# Altium PCB Electronic load 1.0.PcbDoc
Units mil, origin at the board's own origin, x right, y up, seen from the top; angles counter-clockwise.
Board outline 2047.24 x 3149.61 mil, 2 copper layers (Top Layer, Bottom Layer), stack 63.824 mil thick; 101 components, 43 nets, 252 pads, 62 vias.
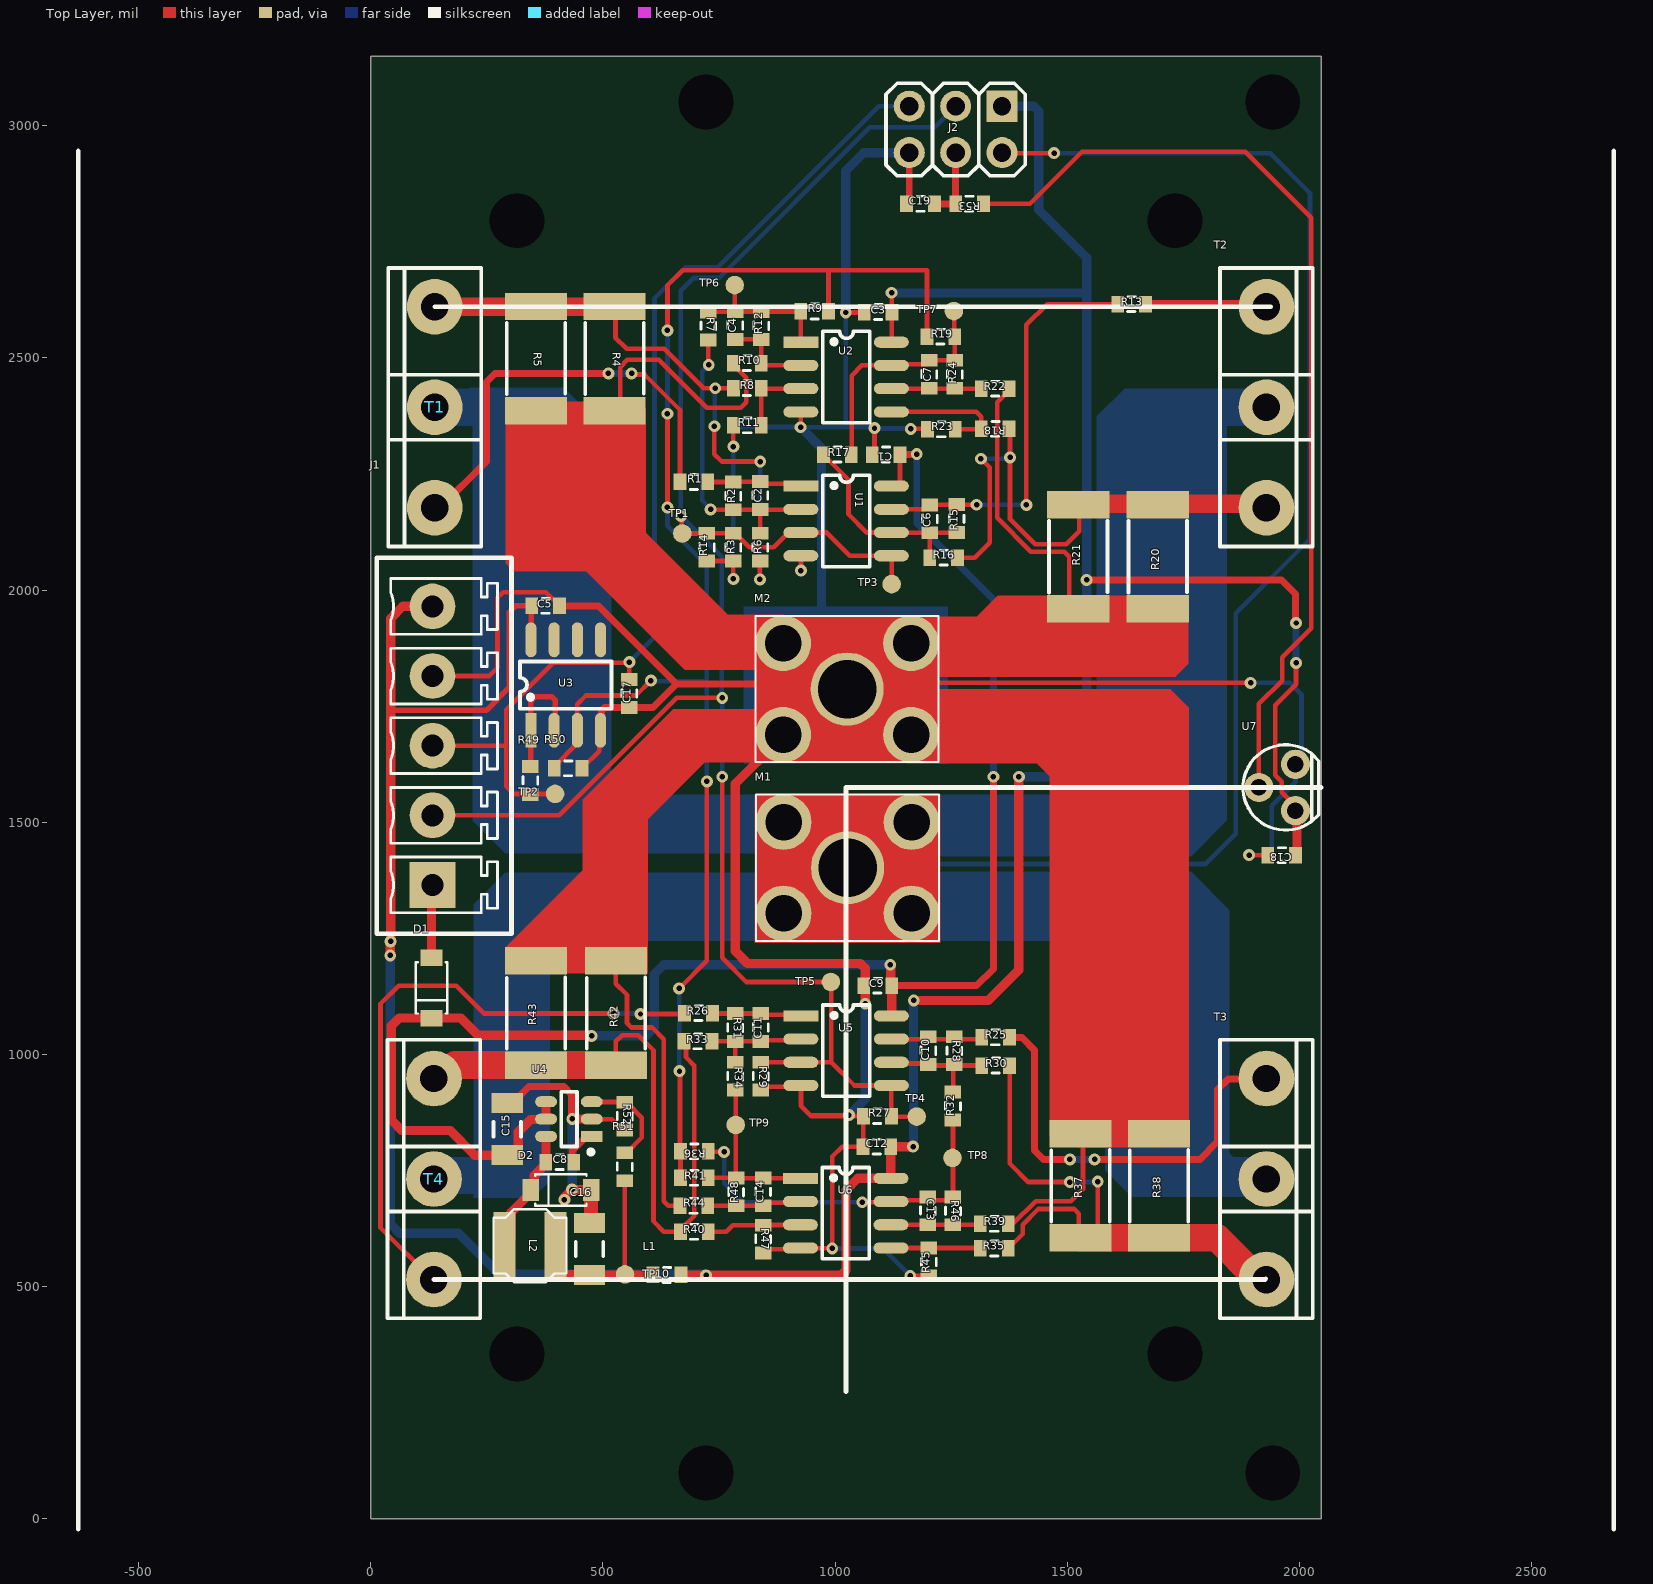
[diagram p0: Top Layer view]
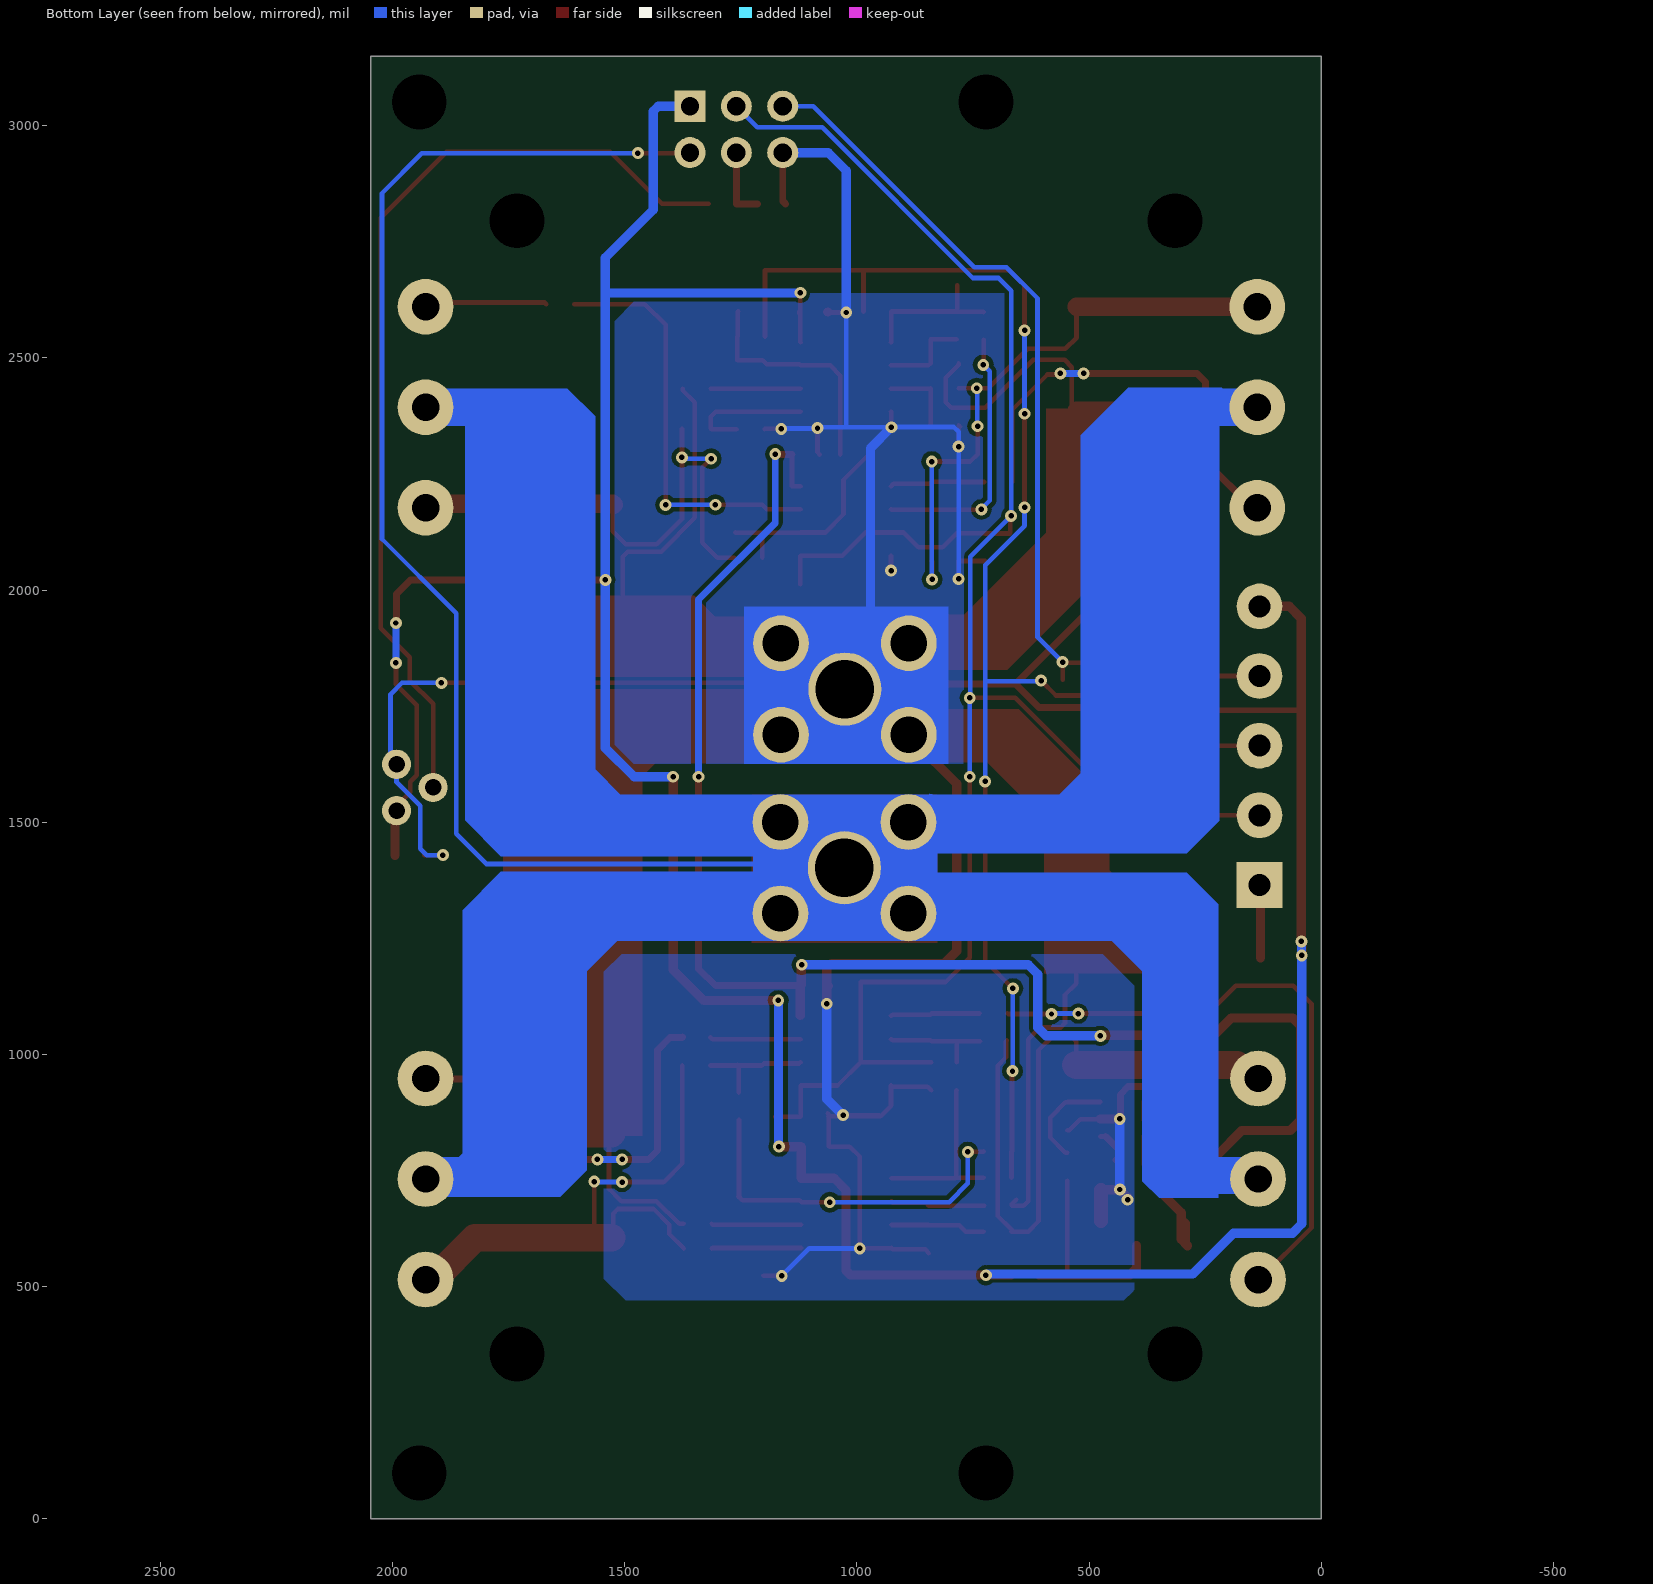
[diagram p1: Bottom Layer view, seen from below]

## Layer stack, top to bottom
Top Solder: solder mask 0.4, Solder Resist, Dk 3.5
Top Layer: signal copper 1.4
Dielectric1: core 61.0236, FR-4, Dk 4.2
Bottom Layer: signal copper 1.4
Bottom Solder: solder mask 0.4, Solder Resist, Dk 3.5

## Board outline
0,0 0,1443.8 0,3149.61 2047.24,3149.61 2047.24,0

## Design rules (kind name [scope] priority, off if disabled: settings)
Clearance kwarc [HasFootprint('X2016')] p1: gap=6 ignorepadtopadclearanceinfootprint=FALSE except(0: Arc-Hole Track-Hole SMDPad-Hole THPad-Hole Via-Hole Fill-Hole Poly-Hole Region-Hole Text-Hole)
Clearance led [HasFootprint('LED1206REV')] p2: gap=5.9 ignorepadtopadclearanceinfootprint=FALSE except(0: Arc-Hole Track-Hole SMDPad-Hole THPad-Hole Via-Hole Fill-Hole Poly-Hole Region-Hole Text-Hole)
Clearance Clearance_1 [(OnLayer('Keep-Out Layer'))] p3: gap=10 ignorepadtopadclearanceinfootprint=FALSE except(0: Arc-Hole Track-Hole SMDPad-Hole THPad-Hole Via-Hole Fill-Hole Poly-Hole Region-Hole Text-Hole)
Clearance Track [istrack vs istrack] p4: gap=6 ignorepadtopadclearanceinfootprint=FALSE except(0: Arc-Hole Track-Hole SMDPad-Hole THPad-Hole Via-Hole Fill-Hole Poly-Hole Region-Hole Text-Hole)
Clearance ANT [InNetClass('ANT')] p5: gap=7.87 ignorepadtopadclearanceinfootprint=FALSE except(0: Arc-Hole Track-Hole SMDPad-Hole THPad-Hole Via-Hole Fill-Hole Poly-Hole Region-Hole Text-Hole)
Clearance poly [inpoly] p6: gap=9 ignorepadtopadclearanceinfootprint=FALSE except(0: Arc-Hole Track-Hole SMDPad-Hole THPad-Hole Via-Hole Fill-Hole Poly-Hole Region-Hole Text-Hole)
Clearance [All] p7: gap=7 ignorepadtopadclearanceinfootprint=FALSE except(0: Arc-Hole Track-Hole SMDPad-Hole THPad-Hole Via-Hole Fill-Hole Poly-Hole Region-Hole Text-Hole)
ComponentClearance ComponentClearance_2 [HasFootprint('CR123')] p1: gap=0 collisioncheckmode=3 verticalgap=0 showdistances=TRUE
ComponentClearance ComponentClearance_1 [HasFootprint('ANT1')] p2: gap=0 collisioncheckmode=3 verticalgap=0 showdistances=TRUE
ComponentClearance [All] p3: gap=0 collisioncheckmode=3 verticalgap=0 showdistances=FALSE
HoleSize [All] p1: absolutevalues=TRUE maxlimit=500 minlimit=10 maxpercent=80.000 minpercent=20.000
PolygonConnect CR123 [HasFootprint('CR123')] p1: connectstyle=Relief reliefconductorwidth=20 reliefentries=4 polygonreliefangle="90 Angle" airgapwidth=10
PolygonConnect coax [HasFootprint('COAXIAL-SWF')] p2: connectstyle=Direct reliefconductorwidth=10 reliefentries=4 polygonreliefangle="90 Angle" airgapwidth=10
PolygonConnect PolygonConnect_1 [isvia] p3: connectstyle=Direct reliefconductorwidth=10 reliefentries=4 polygonreliefangle="90 Angle" airgapwidth=10
PolygonConnect [All] p4: connectstyle=Relief reliefconductorwidth=10 reliefentries=4 polygonreliefangle="90 Angle" airgapwidth=8
RoutingVias [All] p1: holewidth=11.81 width=25.59 viastyle="Through Hole" minholewidth=11.81 minwidth=25.59 maxholewidth=11.81 maxwidth=25.59
SolderMaskExpansion SolderMaskExpansion_1 [isvia] p1: expansion=-100
SolderMaskExpansion [All] p2: expansion=2
Width [All] p1: maxlimit=200 minlimit=6 preferedwidth=10 minimp=50.000000 maximp=50.000000 favimp=50.000000
28 further rules are at their usual default settings.

## Components (designator, comment, footprint, x,y, rotation, side; value= is the part's Value field where it differs from the comment)
C1 "100n" C0603 1110,2291.8 r0 top
C2 "1n" C0603 839,2203.65 r270 top
C3 "100n" C0603 1093,2598.8 r180 top
C4 "1n" C0603 785,2569.8 r270 top
C5 "100n" C0603 376.57,1965.8 r180 top
C6 "1n" C0603 1204,2153.31 r270 top
C7 "1n" C0603 1203,2464.75 r270 top
C8 "100n" C0603 407,767.8 r180 top
C9 "100n" C0603 1092,1147.8 r0 top
C10 "1n" C0603 1201,1007.8 r270 top
C11 "1n" C0603 840,1057.8 r270 top
C12 "100n" C0603 1090,801.18 r180 top
C13 "1n" C0603 1200,662.8 r270 top
C14 "1n" C0603 845,703.8 r270 top
C15 "10u" C1206 294,838.8 r90 top
C16 "10u" C1206 471,580.8 r90 top
C17 "100n" C0603 557,1777 r270 top
C18 "100n" C0603 1962,1429 r180 top
C19 "100n" C0603 1184,2832 r180 top
D1 "PMEG6020ER.115" SOD123 131,1143.02 r90 top
D2 "PMEG6020ER.115" SOD123 409.5,707.8 r0 top
J1 "15EDGVC3.81-05P" MCV1,5/5-G3,81 133,1664.8 r180 top
J2 "67996-206HLF" GP2X3 1259.84,2992.13 r180 top locked
L1 "LCBA-601" R0603 638,524.7 r0 top
L2 "22uH" L4040 343,587.8 r0 top
M1 "KEYS7696" KEY-7696 1027,1401.8 r270 top
M2 "KEYS7696" KEY-7696 1026,1786.8 r90 top
R1 "22R" R0603 696,2232.8 r180 top
R2 "1M" R0603 781,2202.8 r90 top
R3 "1M" R0603 781,2092.47 r90 top
R4 "0R1/1%" R2512 525,2498.6 r270 top
R5 "0R1/1%" R2512 356,2498.6 r270 top
R6 "1k" R0603 839.01,2092.47 r90 top
R7 "10k/1%" R0603 727,2568.8 r270 top
R8 "1k" R0603 811,2434.75 r0 top
R9 "10k/1%" R0603 956,2600.06 r180 top
R10 "1k" R0603 811,2488.8 r0 top
R11 "10k/1%" R0603 811,2354.8 r180 top
R12 "10k/1%" R0603 841,2569.8 r90 top
R13 "22R" R0603 1639,2615.8 r0 top
R14 "1M" R0603 724,2092.48 r90 top
R15 "1M" R0603 1262,2153.96 r90 top
R16 "1k" R0603 1234.01,2069.8 r180 top
R17 "10k/1%" R0603 1005,2291.8 r180 top
R18 "1k" R0603 1345,2347.05 r180 top
R19 "10k/1%" R0603 1228,2545.8 r0 top
R20 "0R1/1%" R2512 1695,2071.8 r270 top
R21 "0R1/1%" R2512 1524,2071.8 r270 top
R22 "1k" R0603 1345,2433.8 r180 top
R23 "10k/1%" R0603 1229,2346.2 r180 top
R24 "10k/1%" R0603 1258,2464.75 r90 top
R25 "22R" R0603 1346,1036.8 r0 top
R26 "22R" R0603 706,1088.8 r180 top
R27 "1M" R0603 1091.44,866.8 r0 top
R28 "1M" R0603 1257,1007.8 r90 top
R29 "1M" R0603 840,952.8 r90 top
R30 "1k" R0603 1346,975.8 r180 top
R31 "1M" R0603 785,1057.8 r90 top
R32 "10k/1%" R0603 1254,888.8 r90 top
R33 "1k" R0603 705,1027.8 r0 top
R34 "10k/1%" R0603 785,952.8 r90 top
R35 "1k" R0603 1343,581.8 r180 top
R36 "10k/1%" R0603 697,790.8 r0 top
R37 "0R1/1%" R2512 1528.62,717.01 r90 top
R38 "0R1/1%" R2512 1697.62,717.01 r90 top
R39 "1k" R0603 1343,634.8 r180 top
R40 "1k" R0603 697,617.8 r0 top
R41 "10k/1%" R0603 697,733.8 r0 top
R42 "0R1/1%" R2512 528,1089.01 r90 top
R43 "0R1/1%" R2512 356,1089.01 r90 top
R44 "1k" R0603 696,673.8 r0 top
R45 "10k/1%" R0603 1202,552.8 r270 top
R46 "10k/1%" R0603 1254,662.8 r90 top
R47 "10k/1%" R0603 845,601.8 r270 top
R48 "10k/1%" R0603 787,703.8 r90 top
R49 "1k" R0603 343.8,1589.8 r270 top
R50 "10k/1%" R0603 425,1615.8 r180 top
R51 "54k9" R0603 547,757.8 r270 top
R52 "10k" R0603 547,866.8 r90 top
R53 "1k" R0603 1289.84,2832 r0 top
T1 "IRFP260NPBF" TO-247-HOR 137.8,2393.8 r90 top
T2 "IRFP260NPBF" TO-247-HOR 1929.13,2393.82 r270 top
T3 "IRFP260NPBF" TO-247-HOR 1929.13,731.34 r270 top locked
T4 "IRFP260NPBF" TO-247-HOR 136,731.34 r90 top
TP1 "TP" TP 671,2121.8 r180 top
TP2 "TP" TP 397,1560.8 r180 top
TP3 "TP" TP 1122,2012.8 r270 top
TP4 "TP" TP 1176,865.8 r180 top
TP5 "TP" TP 991,1155.8 r90 top
TP6 "TP" TP 784,2656.8 r0 top
TP7 "TP" TP 1256,2600.8 r0 top
TP8 "TP" TP 1253,776.8 r180 top
TP9 "TP" TP 786,847.8 r180 top
TP10 "TP" TP 547.69,526 r0 top
U1 "MC34072" SO-8 1024,2148.8 r0 top
U2 "AD8629ARZ" SO-8 1024,2458.8 r0 top
U3 "AD8629ARZ" SO-8 420,1795.24 r90 top
U4 "LMR16006" SOT-23-6 426.79,860.46 r90 top
U5 "MC34072" SO-8 1024,1007.8 r0 top
U6 "AD8629ARZ" SO-8 1023,657.8 r0 top
U7 "MCP9700A-E/TO" TO-92A 1952.37,1574.74 r90 top

## Footprints (in the part's own frame and the unit in brackets; to place one, negate y for a bottom-side part, rotate by r counter-clockwise, add the part's x,y. Pads: shape width x height; smd on the part's side, far side on the other; paste and mask are expansions set on the pad)
C0603 [mm] "Chip Capacitor, Body 1.6x0.8mm, IPC High Density"
  rect 0.7x0.9 smd: 1(-0.762,0) 2(0.762,0)
  silkscreen extent -0.22,-0.41 0.2,0.41, body extent -0.8,-0.4 0.8,0.4, height 0.5
C1206 [mm]
  rect 1.1x1.7 smd: 1(-1.425,0) 2(1.425,0)
  silkscreen extent -0.4,-0.75 0.4,0.75, body extent -1.6,-0.8 1.6,0.8, height 1
GP2X3 [mm]
  rect 1.7x1.7 hole 1: 1(-2.54,-1.27)
  round 1.7 hole 1: 2(-2.54,1.27) 3(0,-1.27) 4(0,1.27) 5(2.54,-1.27) 6(2.54,1.27)
  silkscreen extent -3.81,-2.53 3.81,2.54, body extent -3.81,-2.54 3.81,2.54, height 8.52
KEY-7696 [mm]
  round 3.048 hole 2: 1(-2.5,3.5) 2(2.5,3.5) 3(-2.5,-3.5) 4(2.5,-3.5)
  round 4 hole 3.2: 5(0,0)
  silkscreen extent -4,-5.01 4,5.01, body extent -3.89,-4.64 3.99,4.5, height 8.14
L4040 [mm]
  rect 1.2x3.7 smd: 1(-1.4,0) 2(1.4,0)
  silkscreen extent -2,-2 2,2, body extent -2,-2 2,2, height 1.1
MCV1,5/5-G3,81 [mm]
  rect 2.5x2.5 hole 1.2: 1(0,7.62)
  round 2.5 hole 1.2: 2(0,3.81) 3(0,0) 4(0,-3.81) 5(0,-7.62)
  silkscreen extent -4.32,-10.29 3.05,10.29, body extent -4.24,-10.29 3.01,10.15, height 9.3
R0603 [mm] "Chip Resistor, Body 1.6x0.8mm, IPC High Density"
  rect 0.7x0.9 smd: 1(-0.762,0) 2(0.762,0)
  silkscreen extent -0.22,-0.41 0.2,0.41, body extent -0.8,-0.4 0.8,0.4, height 0.45
R2512 [mm]
  rect 1.5x3.4 smd: 1(-2.85,0) 2(2.85,0)
  silkscreen extent -1.96,-1.6 1.96,1.6, body extent -3.18,-1.6 3.18,1.6, height 0.6
SO-8 [mil]
  rect 75x24 smd: 1(-97.44,75)
  oval 75x24 smd: 2(-97.44,25) 3(-97.44,-25) 4(-97.44,-75) 5(97.44,-75) 6(97.44,-25) 7(97.44,25) 8(97.44,75)
  silkscreen extent -51,-98 51,98, body extent -123,-98 122,99, height 55
SOD123 [mm]
  rect 0.9x1.2 smd: 1(1.65,0) 2(-1.65,0)
  silkscreen extent -1.4,-0.86 1.4,0.86, body extent -1.85,-0.86 2,0.84, height 1.46
SOT-23-6 [mm]
  rect 0.6x1.2 smd: 1(-0.95,-1.25)
  oval 0.6x1.2 smd: 2(0,-1.25) 3(0.95,-1.25) 4(0.95,1.25) 5(0,1.25) 6(-0.95,1.25)
  silkscreen extent -1.92,-1.33 1.5,0.42, body extent -1.5,-1.58 1.5,1.42, height 1.3
TO-92A [mm]
  round 1.6 hole 0.9: 1(-1.27,-1) 2(0,1) 3(1.27,-1)
  silkscreen extent -2.33,-2.27 2.33,1.87, body extent -2.34,-2.27 2.34,1.88, height 8
TO-247-HOR [mil]
  round 120 hole 59: 1(-216.54,0) 2(0,0) 3(216.54,0)
  silkscreen extent -300,-100 300,100, body extent -315,-14 315,1006, height 531
TP [mil]
  round 40 smd paste-100: 1(0,0)

## Part data
C1 C3 C5 C8 C9 C12 C17 C18 C19: library part C-013, "Capacitor: ceramic; 100nF; 50V; X7R; ±10%; SMD; 0603; Series: GRM", Manufacturer=Murata, Part Number=GRM188R71H104KA93D, ComponentLink1Description=Datasheet, ComponentLink1URL=D:\Datasheets\.pdf, ComponentLink2Description=Dostawca, ComponentLink2URL=http://www.tme.eu/pl/katalog/?idp=1&search=GRM188R71H104KA93D, Indeks=C-0013, Supplier=TME, Supplier Code=GRM188R71H104KA93D
C2 C4 C6 C7 C10 C11 C13 C14: library part C-006, "Capacitor: ceramic; MLCC; 1nF; 50V; X7R; ±10%; SMD; 0603", Manufacturer=Vishay, Part Number=VJ0603Y102KXACW1BC, ComponentLink1Description=Datasheet, ComponentLink1URL=D:\Datasheets\.pdf, ComponentLink2Description=Dostawca, ComponentLink2URL=http://www.tme.eu/pl/katalog/?idp=1&search=VJ0603Y102KXACW1BC, Indeks=C-006, Supplier=TME, Supplier Code=VJ0603Y102KXACW1BC
C15 C16: library part C-022, "Capacitor: ceramic; 10uF; 35V; X7R; ±10%; SMD; 1206", Manufacturer=Samnsung, Part Number=CL31B106KLHNNNE, ComponentLink1Description=Datasheet, ComponentLink1URL=D:\Datasheets\.pdf, ComponentLink2Description=Dostawca, ComponentLink2URL=http://www.tme.eu/pl/katalog/?idp=1&search=CL31B106KLHNNNE, Indeks=C-0019, Supplier=TME, Supplier Code=CL31B106KLHNNNE
D1 D2: library part STPS2H100A, "Diode: Schottky rectifying; SMD; 60V; 2A; SOD123W", Manufacturer=Nexperia, ComponentLink1Description=Datasheet, ComponentLink1URL=E:\Datasheets\PMEG6020ER.115.pdf, ComponentLink2Description=Dostawca, ComponentLink2URL=http://www.tme.eu/pl/katalog/?idp=1&search=PMEG6020ER.115, Supplier=TME, Supplier Code=PMEG6020ER.115
J1: library part CON5, "Pluggable terminal block; 3.81mm; ways:5; straight; socket; male", Part Number=15EDGVC-3.81-05P-14-00A(H), ComponentLink1Description=Datasheet, ComponentLink1URL=D:\Datasheets\.pdf, ComponentLink2Description=Dostawca, Supplier=TME, Supplier Code=15EDGVC3.81-05P
J2: library part CON2x3, "Pin header; pin strips; male;2.54mm; PIN:6; THT", Manufacturer=Amphenol, ComponentLink1Description=Datasheet, ComponentLink1URL=D:\Datasheets\.pdf, ComponentLink2Description=Dostawca, Part Number=67996-206HLF, Supplier=TME, Supplier Code=67996-206HLF
L1: "Ferrite: bead; Imp.@ 100MHz:600Ohm; Mounting: SMD; 1A; Case:0603", Manufacturer=Ferrocore, ComponentLink1Description=Datasheet, ComponentLink1URL=D:\Datasheets\.pdf, ComponentLink2Description=Dostawca, Indeks=IND, Part Number=LCBA-601, Supplier=TME, Supplier Code=LCBA-601
L2: library part L4040, "Inductor: wire; SMD; 1515; 22uH; 790mA; 0.37R; 4x4x1.65mm", Manufacturer=Murata, Part Number=LQH44PN220MP0L, ComponentLink1Description=Datasheet, ComponentLink1URL=D:\Datasheets\.pdf, ComponentLink2Description=Dostawca, Indeks=IND, Supplier=TME, Supplier Code=LQH44PN220MP0L
M1 M2: library part "M3 pcb", "Terminal: screw terminal; THT, screw terminal; silver; 7x5mm", Manufacturer=Keystone, Part Number=7696, ComponentLink1Description=Datasheet, ComponentLink1URL=E:\Datasheets\7696.pdf, ComponentLink2Description=Dostawca, Supplier=TME, Supplier Code=KEYS7696
R1 R13 R25 R26: library part R-002, "Resistor: thick film; SMD; 0603; 22R; 0.1W; ±5%;", Manufacturer="Royal Ohm", Part Number=0603SAJ0220T5E, Tolerance=5%, ComponentLink1Description=Datasheet, ComponentLink1URL=D:\Datasheets\.pdf, ComponentLink2Description=Dostawca, ComponentLink2URL=http://www.tme.eu/pl/katalog/?idp=1&search=SMD0603-22R, Indeks=R-002, Supplier=TME, Supplier Code=SMD0603-22R
R2 R3 R14 R15 R27 R28 R29 R31: library part R-022, "Resistor: thick film; SMD; 0603; 1M; 0.1W; ±5%;", Manufacturer="Royal Ohm", Part Number=0603SAJ0105T5E, Tolerance=5%, ComponentLink1Description=Datasheet, ComponentLink1URL=D:\Datasheets\.pdf, ComponentLink2Description=Dostawca, ComponentLink2URL=http://www.tme.eu/pl/katalog/?idp=1&search=SMD0603-1M, Indeks=R-022, Supplier=VISHAY, Supplier Code=SMD0603-1M
R4 R5 R20 R21 R37 R38 R42 R43: library part R, "Rezystor: pomiarowy; SMD; 2512; 100mOhm; 3W; ±1%; 50ppm", Manufacturer=Viking, Part Number=LPR12FTDRR100, ComponentLink1Description=Datasheet, ComponentLink1URL=D:\Datasheets\Viking-LRP.pdf, ComponentLink2Description=Dostawca, ComponentLink2URL=http://www.tme.eu/pl/katalog/?idp=1&search=LRP2512-R100-1%, Supplier=TME, Supplier Code=LRP2512-R100-1%
R6 R8 R10 R16 R18 R22 R30 R33 R35 R39 R40 R44 R49: library part R-035, "Resistor: thick film; SMD; 0603; 1k; 0.1W; ±1%", Manufacturer="Royal Ohm", Part Number=0603SAF1001T5E, Tolerance=1%, ComponentLink1Description=Datasheet, ComponentLink1URL=D:\Datasheets\.pdf, ComponentLink2Description=Dostawca, ComponentLink2URL=http://www.tme.eu/pl/katalog/?idp=1&search=WW25RR005FTL, Indeks=R-035, Supplier=TME, Supplier Code=SMD0603-1K-1%
R7 R9 R11 R12 R17 R19 R23 R24 R32 R34 R36 R41 R45 R46 R47 R48 R50: library part R, "Rezystor: thick film; SMD; 0603; 10kOhm; 0,1W; ±1%; -55÷155°C", Manufacturer=VISHAY, Part Number=CRCW060310K0FKTABC, ComponentLink1Description=Datasheet, ComponentLink1URL=D:\Datasheets\.pdf, ComponentLink2Description=Dostawca, Supplier=TME, Supplier Code=CRCW060310K0FKTABC
R51: library part R-016, "Resistor: thick film; SMD; 0603; 54.9k; 0.1W; ±1%;", Manufacturer=Yageo, Part Number=RC0603FR-0754K9L, Tolerance=1%, ComponentLink1Description=Datasheet, ComponentLink1URL=D:\Datasheets\.pdf, ComponentLink2Description=Dostawca, ComponentLink2URL=http://www.tme.eu/pl/katalog/?idp=1&search=RC0603FR-0754K9L, Indeks=R-016, Supplier=TME, Supplier Code=RC0603FR-0754K9L
R52: library part R-012, "Resistor: thick film; SMD; 0603; 10k; 0.125W; ±5%", Manufacturer=Walsin, Part Number=WF06P103JTL, Tolerance=5%, ComponentLink1Description=Datasheet, ComponentLink1URL=D:\Datasheets\.pdf, ComponentLink2Description=Dostawca, ComponentLink2URL=http://www.tme.eu/pl/katalog/?idp=1&search=WF06P-10K-5%, Indeks=R-011, Supplier=TME, Supplier Code=WF06P-10K-5%
R53: library part R-005, "Resistor: thick film; SMD; 0603; 1k; 0.1W; ±5%", Manufacturer="Royal Ohm", Part Number=0603SAJ0102T5E, Tolerance=5%, ComponentLink1Description=Datasheet, ComponentLink1URL=D:\Datasheets\.pdf, ComponentLink2Description=Dostawca, ComponentLink2URL=http://www.tme.eu/pl/katalog/?idp=1&search=SMD0603-1K, Indeks=R-004, Supplier=TME, Supplier Code=SMD0603-1K
T1 T2 T3 T4: "Tranzystor: N-MOSFET; unipolarny; HEXFET; 200V; 35A; 300W; TO247AC", Manufacturer=Infineon, ComponentLink1Description=Datasheet, ComponentLink1URL=D:\Datasheets\IRF7342.pdf, ComponentLink2Description=Dostawca, ComponentLink2URL=http://www.tme.eu/pl/katalog/?idp=1&search=IRFZ34NPBF, Indeks=TRAN, Part Number=IRFP260NPBF, Supplier=TME, Supplier Code=IRFP260NPBF
TP1 TP2 TP3 TP4 TP5 TP6 TP7 TP8 TP9 TP10: "Test point", ComponentLink1Description=Datasheet, ComponentLink1URL=D:\Datasheets\.pdf, ComponentLink2Description=Dostawca
U1 U5: "Operational Amplifier Dual;4,5MHz,3-44V,SOIC-8", Manufacturer=TI, Part Number=MC34072ADG, ComponentLink1Description=Datasheet, ComponentLink1URL=D:\Datasheets\MC34072.pdf, ComponentLink2Description=Dostawca, ComponentLink2URL=http://pl.farnell.com//1426371, Supplier=Farnell, Supplier Code=1426371
U2 U3 U6: library part AD8629, "Zero-Drift, Single-Supply, Rail-to-Rail  Input/Output Operational Amplifier", Manufacturer="Analog Devices", ComponentLink1Description=Datasheet, ComponentLink1URL=D:\Datasheets\AD8629.pdf, ComponentLink2Description=Dostawca, ComponentLink2URL=http://pl.farnell.com//9994300, Part Number=AD8629ARZ, Supplier=Farnell, Supplier Code=9994300
U4: "60 V 0.6 A Buck Regulators With High Efficiency ECO  Mode", Manufacturer=ST, Part Number=LMR16006XDDCR, ComponentLink1Description=Datasheet, ComponentLink1URL=E:\Datasheets\lmr16006.pdf, ComponentLink2Description=Dostawca, ComponentLink2URL=http://pl.farnell.com/search?st=2781719, Supplier=Farnell, Supplier Code=2781719
U7: library part "MCP9700 - TO-92", "Czujnik temperatury; przetwornik temperatury; -40÷150°C; TO92", Manufacturer=Microchip, ComponentLink1Description=Datasheet, ComponentLink1URL=D:\Datasheets\MCP9700.pdf, ComponentLink2Description=Dostawca, ComponentLink2URL=http://www.tme.eu/pl/katalog/?idp=1&search=MCP9700A-E/TO, Part Number=MCP9700A-E/TO, Supplier=TME, Supplier Code=MCP9700A-E/TO

## Free pads (board coordinates)
  round 60 hole 118.11 unplated: 2(314.96,354.33) 2(314.96,2795.28) 2(722.39,98.43) 2(722.39,3051.18) 2(1732.28,354.33) 2(1732.28,2795.28) 2(1942.86,98.43) 2(1942.86,3051.18)

## Via types
v1: diameter 25.59, hole 11.81, Top Layer to Bottom Layer, 62 vias

## Nets (pads, with @x,y where several pads share a name; then routed paths per layer and width w, separated by ;. In a path a pad name is that pad's centre, name@x,y a point inside that pad or via, vN(x,y) a via of type N, cw(c..) or ccw(c..) an arc to the next point about the centre after c; other vN are vias at no path point)
+5V: C3.1 C5.2 C12.1 C18.1 J1.5 J2.1 L1.2 U2.8 U3.8 U6.8 U7.1 | length 7748.7
  Top Layer w10: U3.8@345,1863.69 U3.8@345.5,1864.19 ; U6.8@1120,733.24 U6.8 ; U2.8 1122,2534.36 C3.1@1122,2593.87 ; C3.1@1122,2601.8 C3.1@1122,2593.87 ; v1(1122,2640.41) 1122.5,2639.91 1122.5,2599.3 C3.1 1124,2599.8 1124,2595.87 C3.1@1122,2593.87 ; v1@1167.84,801.18 v1(1168,801.34) ; v1(1993,1843) 1993,1797 1948.24,1752.24 1948.24,1601.01 1962,1587.25 1962,1564.62 U7.1@2004.62,1522
  Top Layer w12: 42.86,1740.8 249.11,1740.8 298,1789.69 298,1951.8 312,1965.8 C5.2@345.5,1965.8 ; U3.8 345.5,1893.18 C5.2@345.5,1965.8 ; C5.2@346,1969.8 345.5,1969.3 C5.2@345.5,1965.8 ; C5.2 C5.2@345.5,1965.8
  Top Layer w15: v1(1542,2022) 1961.7,2022 1992,1991.7 1992,1930 v1(1993,1929)
  Top Layer w20: v1(42,1213) v1@42,1242 ; v1(42.86,1243) 42.86,1740.8 42.86,1938.86 68.8,1964.8 J1.5 ; L1.2 1013.9,524.7 1023.62,534.43 1023.62,569.29 1023.8,569.46 1023.8,594.14 1023.62,594.32 1023.62,707.43 1049,732.8 1119.56,732.8 1120,733.24 C12.1 v1@1167.84,801.18 ; v1(1169.67,1116.07) 1330.27,1116.07 1396,1181.8 v1(1396,1597.8) ; C18.1@1995,1429 1995,1507.63 U7.1@2006.37,1519
  Bottom Layer w15: v1(1993,1843) v1(1993,1929)
  Bottom Layer w20: v1(42.86,1243) 42.43,1242.57 42.43,1213.43 v1(42,1213) 42,634.8 62,614.8 189,614.8 276.8,527 719.39,527 v1(722.39,524) ; v1@1122.5,2639.91 1542,2639.91 ; v1(1168,801.34) 1168.83,802.17 1168.83,1115.24 v1(1169.67,1116.07) ; J2.1 1427.87,3042.13 1439,3031 1439,2819 1542,2716 1542,2639.91 ; v1(1396,1597.8) 1480,1597.8 1542,1659.8 v1(1542,2022) 1542,2639.91
+12V: C1.2 C9.2 C15.1 D1.2 U1.8 U4.4 U4.5 U5.8 | length 3533.5
  Top Layer w10: U5.8 U5.8@1122,1083.36 ; U1.8 1140,2223.8 C1.2
  Top Layer w15: C9.2 1305,1147.8 1341,1183.8 v1(1341,1597.8) ; C1.2 1140.5,2292.3 1175.5,2292.3 v1(1176,2292.8)
  Top Layer w20: U4.4 U4.5 376.88,859.76 344.8,859.76 317.46,832.43 317.46,794.35 305.81,782.7 C15.1 224.1,782.7 171,835.8 67,835.8 44,858.8 44,1060.8 61.26,1078.06 D1.2 193.74,1078.06 231,1040.8 474.83,1040.8 v1(475.83,1039.8) ; v1(1119,1192.8) 1120.07,1191.73 1120.07,1149.73 C9.2 U5.8@1122,1083.36
  Bottom Layer w15: v1(1176,2292.8) 1176,2144.8 1341,1979.8 v1(1341,1597.8)
  Bottom Layer w20: v1(475.83,1039.8) 593,1039.8 610.8,1057.6 610.8,1172.6 631,1192.8 v1(1119,1192.8)
\: C17.1 J1.3 J2.5 R49.2 TP2.1 | length 2306.2
  Top Layer w10: J1.3 292,1664.8 ; TP2.1 308,1560.8 292,1576.8 292,1664.8 ; C17.1 557,1841.71 v1@555.53,1843.18 ; v1(557,1844.66) v1@555.53,1843.18 ; 292,1664.8 292,1742 393.18,1843.18 v1@555.53,1843.18
  Bottom Layer w10: v1(557,1844.66) 611,1898.66 611,2628 678,2695 747.27,2695 1094.39,3042.13 J2.5
GND: C1.1 C3.2 C5.1 C9.1 C12.2 C15.2 C16.2 C17.2 C18.2 C19.2 D2.1 J1.4 J2.6 M2.1 M2.2 M2.3 M2.4 M2.5 R3.1 R4.2 R5.2 R10.1 R11.2 R14.1 R20.2 R21.2 R22.1 R23.2 R27.1 R29.1 R37.2 R38.2 R39.1 R42.2 R43.2 R44.1 R45.2 R47.2 R50.1 R52.1 U1.4 U2.4 U3.4 U4.2 U5.4 U6.4 U7.3 | length 12520.2
  Top Layer w10: J1.4 255,1814.8 273,1832.8 273,1982.8 285.72,1995.52 376.86,1995.52 C5.1 ; C15.2 C15.2@305.81,894.91 ; C5.1@406,1969.8 C5.1@410,1965.8 ; v1@432.75,862.05 v1(434,860.8) v1@434.17,860.63 ; R50.1 492.32,1653.12 492.32,1695.12 U3.4 ; C16.2 C16.2@474.46,640.37 ; U4.2@475.83,860.63 U4.2 519.41,860.46 543.06,836.8 R52.1 ; U3.4@495,1668.8 U3.4 ; U3.4@497.68,1700.48 496.72,1699.53 U3.4 ; R42.2 528,1151.8 552,1127.8 552,1067.2 561.39,1057.8 606,1057.8 631,1032.8 631,683.8 641,673.8 R44.1 666,677.74 R44.1@657.22,686.52 ; R4.2@540,2387.38 537.01,2390.37 537.01,2480.01 552.8,2495.8 620.75,2495.8 723.75,2392.8 797,2392.8 808.99,2404.8 808.99,2456.87 781,2484.87 R10.1 ; R42.2@555,1201.21 565.4,1201.21 R42.2@589.93,1176.68 ; R14.1 R3.1 v1(780.99,2023.8) ; v1(780.99,2308.81) 780.99,2348.81 778,2351.8 R11.2 ; R29.1 847.32,930.12 923.88,930.12 U5.4 926.56,889.24 949,866.8 950,866.8 ; R47.2 853.32,580.12 922.88,580.12 U6.4 926.06,582.3 v1@993.5,582.3 ; v1(926,2350.54) 926,2383.24 U2.4 ; v1(926.56,2041.8) U1.4 ; v1@993,585.8 v1@994,584.8 ; v1(1023,2597.8) C3.2@1062,2597.8 ; v1(1030,868.86) 952.06,868.86 950,866.8 ; R27.1 R27.1@1060.72,866.8 ; R27.1@1063,872.8 1060.72,870.52 R27.1@1060.72,866.8 ; C1.1 1085,2296.8 v1(1085,2348.8) ; v1(1162,522.8) R45.2 ; v1(1163,2347.08) 1198.11,2347.08 R23.2 ; 1175,1799 1176,1800 v1(1895,1800) ; R39.1 1383,634.8 1432,683.8 1508,683.8 1534,709.8 R37.2@1534,829.21 ; R22.1 1375,2429.87 1349.22,2404.09 1349.22,2155.58 1422,2082.8 1493.31,2082.8 1504.2,2071.91 1504.2,1984.13 1517.53,1970.8 R21.2@1522,1970.8 ; v1(1892,1429) C18.2 ; 950,866.8 R27.1@1060.72,866.8 ; v1@993.5,582.3 v1@994,582.8 ; v1@993.5,582.3 v1(994,581.8) v1@994,582.8 ; v1@994,582.8 v1@994,584.8 ; v1@994,584.8 994,779.8 1015.38,801.18 C12.2 1060.72,801.9 R27.1@1060.72,866.8
  Top Layer w15: C15.2@305.81,894.91 341.24,930.34 416,930.34 432.75,913.59 v1@432.75,862.05 ; C5.1@410,1965.8 490.8,1965.8 658.8,1797.8 ; U3.4@496.72,1699.53 496.72,1739.94 503.79,1747 C17.2 608,1747 658.8,1797.8 ; M2.5@1031,1797.8 658.8,1797.8 ; C19.2 1159.84,2837.84 J2.6
  Top Layer w20: v1(417,686.8) 417,692.03 v1(433.77,708.8) 434.27,708.3 473.96,708.3 D2.1 ; v1@434.17,860.63 U4.2@475.83,860.63 ; M2.1@874,1671.8 785,1582.8 785,1222.3 811.5,1195.8 1054.49,1195.8 1065,1185.29 C9.1@1065,1144.8 ; C9.1 C9.1@1065,1144.8 ; v1(1065,1108.8) C9.1@1065,1144.8
  Top Layer w30: C16.2@474.46,640.37 D2.1
  Top Layer w40: R5.2 R4.2 R4.2@527,2386.39 ; R21.2 R20.2
  Top Layer w60: 525,1519.8 693.57,1688.38 M2.1 ; M2.2@857.63,1915.8 M2.2 ; M2.1@888.2,1679.8 M2.3@1156,1679.8 ; M2.3@1161,1656.8 1456,1656.8 1528.62,1584.18 R37.2 ; M2.4@1161,1885.23 M2.4 M2.4@1192.37,1913.8 ; R37.2@1534,829.21 R38.2
  Bottom Layer w10: v1(780.99,2023.8) v1(780.99,2308.81) 780.99,2340.55 791.62,2351.17 925.37,2351.17 v1(926,2350.54) 1022.05,2350.54 ; v1(994,581.8) 1103,581.8 v1(1162,522.8) ; v1(1023,2597.8) 1023,2351.49 1022.05,2350.54 ; v1(1163,2347.08) 1162.14,2347.94 1085.86,2347.94 v1(1085,2348.8) 1083.27,2350.54 1022.05,2350.54 ; v1(1892,1429) 1927,1429 1941,1443 1941,1535.51 1991.74,1586.25 U7.3 ; v1(1895,1800) 1980,1800 2004.62,1775.38 U7.3@2004.62,1622
  Bottom Layer w20: v1(433.77,708.8) 434,709.03 v1(434,860.8) ; v1(926,2350.54) 971,2305.54 971,1900.8 ; v1(1023,2597.8) 1023,2903 1062.13,2942.13 J2.6 ; v1(1030,868.86) 1065,903.86 v1(1065,1108.8)
"I CELL1": R9.1 R19.1 R36.1 R41.1 R50.2 U3.3 | length 3247.5
  Top Layer w10: R50.2 395,1619.74 445,1669.74 U3.3 445,1754.17 463.61,1772.78 571.25,1772.78 v1(603.47,1805) ; v1(639,2177.8) v1(639,2379.8) ; v1(639,2559.27) 639,2656 671.8,2688.8 986,2688.8 ; v1(664,1141.8) 724,1201.8 v1(724,1587.8) ; v1(665,963.8) 666,962.8 666,791.8 R36.1 R41.1 ; R9.1 986,2688.8 ; R19.1 1198,2688.8 986,2688.8
  Bottom Layer w10: v1(603.47,1805) 604.66,1803.8 724,1803.8 ; v1(639,2177.8) 639,2138.8 724,2053.8 724,1803.8 ; v1(639,2379.8) v1(639,2559.27) ; v1(664,1141.8) 664.5,1141.3 664.5,964.3 v1(665,963.8) ; v1(724,1587.8) 724,1803.8
IPROG: J1.2 J2.3 R3.2 R14.2 R27.2 R29.2 TP1.1 TP3.1 TP4.1 TP5.1 U1.3 U1.5 U5.3 U5.5 | length 4408.2
  Top Layer w10: J1.2 406.03,1514.8 659.03,1767.8 v1(757,1767.8) ; v1(668,2159.8) 669.5,2158.3 669.5,2123.3 TP1.1 724,2121.8 724.33,2122.14 780.67,2122.14 R3.2 784.94,2122.47 814.93,2092.48 867.67,2092.48 899,2123.8 U1.3 982,2123.8 1032,2073.8 U1.5 1122,2073.24 TP3.1 ; v1(757,1597.8) 757,1207.8 809,1155.8 TP5.1 ; R29.2 U5.3 992,982.8 ; TP5.1@992,1155.8 992,982.8 ; TP4.1 1122.44,865.8 R27.2 U5.5 1042,932.8 992,982.8
  Bottom Layer w10: v1(757,1597.8) v1(757,1767.8) 756.2,1768.6 756.2,2071.6 v1(668,2159.8) 668,2645 695,2672 750,2672 1074.66,2996.66 1214.38,2996.66 J2.3
NetC2_1: C2.1 R1.1 R2.2 U1.1 | length 205
  Top Layer w10: R1.1 R2.2 781.42,2233.22 838.58,2233.22 C2.1 843.92,2228.72 921.64,2228.72 U1.1
NetC2_2: C2.2 R2.1 R6.2 R7.2 U1.2 | length 625.2
  Top Layer w10: R7.2 727,2485.87 v1(728,2484.87) ; v1(732,2173.8) 732.5,2173.3 780.5,2173.3 R2.1 781.5,2173.3 C2.2@839,2173.3 ; R6.2 C2.2@839,2173.3 ; C2.2 C2.2@839,2173.3 ; U1.2 926.06,2173.3 C2.2@839,2173.3
  Bottom Layer w10: v1(728,2484.87) 714,2470.87 714,2192.8 732,2174.8 v1(732,2173.8)
NetC4_1: C4.1 R7.1 R9.2 R12.2 TP6.1 U2.1 | length 323.4
  Top Layer w10: R7.1 727.5,2599.3 784.5,2599.3 C4.1 ; TP6.1 784,2600.8 C4.1 ; U2.1 926,2534.36 R9.2 925.74,2599.8 R12.2 C4.1
NetC4_2: C4.2 R10.2 R12.1 U2.2 | length 194.6
  Top Layer w10: C4.2 R12.1 R10.2 846,2483.8 U2.2
NetC6_1: C6.1 R13.1 R15.2 U1.7 | length 898.3
  Top Layer w10: U1.7 1194.5,2173.8 C6.1 1204.33,2183.63 1261.67,2183.63 R15.2 1262.33,2183.63 v1(1305,2183.63) ; v1(1412,2183.31) 1412,2571.07 1456.73,2615.8 R13.1
  Bottom Layer w10: v1(1305,2183.63) 1411.67,2183.63 v1(1412,2183.31)
NetC6_2: C6.2 R15.1 R16.2 R17.2 U1.6 | length 452.7
  Top Layer w10: R17.2@976,2290.8 1029,2237.8 1029,2163.49 1068.68,2123.8 U1.6 1121.69,2123.55 1203.75,2123.55 C6.2 ; R16.2 C6.2 ; R15.1 1261.67,2123.63 1204.33,2123.63 C6.2
NetC7_1: C7.1 R17.1 R19.2 R24.2 TP7.1 U2.7 | length 512.5
  Top Layer w10: R17.1@1036,2291.8 1036,2461.8 1058,2483.8 U2.7 1124.12,2486.48 1194.73,2486.48 C7.1 R24.2 R19.2 1257,2546.8 1257,2599.8 TP7.1
NetC7_2: C7.2 R22.2 R24.1 U2.6 | length 193.6
  Top Layer w10: U2.6 R22.2
NetC8_1: C8.1 U4.1 | length 84.7
  Top Layer w10: C8.1 C8.1@441.65,772.46 ; U4.1@464.19,823.06 U4.1
  Top Layer w15: C8.1@441.65,772.46 434,780.11 434,792.87 U4.1@464.19,823.06
NetC8_2: C8.2 D2.2 L2.1 U4.6 | length 366.3
  Top Layer w10: L2.1 287.88,637.02 301.5,650.64 L2.1@306.5,655.64 ; D2.2 D2.2@344.54,713.71 ; C8.2@368.22,759.02 C8.2 C8.2@377.29,768.09 ; U4.6@377.29,822.77 U4.6
  Top Layer w20: L2.1 301.5,601.43 301.5,650.64 301.5,658.86 344.54,701.9 D2.2 352.26,715.52 352.26,739.12 370.19,757.05 377,763.87 C8.2 ; C8.2@377.29,768.09 U4.6@377.29,822.77
NetC10_1: C10.1 R25.1 R28.2 U5.7 | length 196.2
  Top Layer w10: U5.7 1205,1032.8 1261,1032.8 1312,1032.8 R25.1
NetC10_2: C10.2 R28.1 R30.2 R32.2 U5.6 | length 259.3
  Top Layer w10: U5.6 1124.12,980.12 1200.68,980.12 1205,975.8 R28.1@1255,975.8 ; R32.2@1255,917.8 R28.1@1255,975.8 ; R28.1 R28.1@1255,975.8 ; R28.1@1261,976.8 R28.1@1261,975.8 ; R30.2 R28.1@1261,975.8 ; R28.1@1255,975.8 R28.1@1261,975.8
NetC11_1: C11.1 R26.1 R31.2 U5.1 | length 193
  Top Layer w10: R26.1 737,1087.8 R31.2 C11.1 842.5,1085.3 924.06,1085.3 U5.1
NetC11_2: C11.2 R31.1 R33.2 R34.2 U5.2 | length 238.6
  Top Layer w10: R33.2 R31.1 ; R34.2 R31.1 ; U5.2 924.06,1030.3 842.5,1030.3 C11.2 R31.1
NetC13_1: C13.1 R32.1 R36.2 R46.2 TP8.1 U6.7 | length 785
  Top Layer w10: R36.2 728,789.8 759,789.8 v1@761,791.8 ; v1(1058.5,681.3) 1118.94,681.3 U6.7 1123.12,685.48 1246.68,685.48 R46.2 R46.2@1255,691.8 ; R32.1 1254,695.8 R46.2@1256,693.8
  Bottom Layer w10: v1(761,789.8) 761,721.8 801.5,681.3 v1(1058.5,681.3)
NetC13_2: C13.2 R39.2 R46.1 U6.6 | length 193.4
  Top Layer w10: U6.6 C13.2 R46.1 1311,632.8 R39.2
NetC14_1: C14.1 R34.1 R41.2 R48.2 TP9.1 U6.1 | length 385.8
  Top Layer w10: R41.2 R48.2 787.5,733.3 925.06,733.3 U6.1 ; R34.1 786,921.8 786,737.8 R48.2@787,736.8
NetC14_2: C14.2 R44.2 R48.1 U6.2 | length 203.3
  Top Layer w10: R44.2 R48.1 C14.2 851.32,680.12 922.88,680.12 U6.2
NetC16_1: C16.1 L1.1 L2.2 R51.2 TP10.1 | length 467.9
  Top Layer w10: TP10.1@547,524.7 R51.2
  Top Layer w20: L2.2 398.12,538.59 411.74,524.97 470.73,524.97 C16.1 547,524.7 L1.1
NetR1_2: R1.2 T1.1 | length 924.6
  Top Layer w10: v1(561.8,2466.8) 564.34,2464.27 589.6,2464.27 666,2387.87 R1.2
  Top Layer w15: T1.1@149,2177.27 249,2277.27 249,2447.8 268,2466.8 v1(512,2466.8)
  Bottom Layer w15: v1(512,2466.8) v1(561.8,2466.8)
NetR4_1: R4.1 R5.1 R6.1 R8.1 T1.3 | length 1286.6
  Top Layer w10: R4.1@527,2609.82 527,2543.8 551,2519.8 631.78,2519.8 716.84,2434.75 v1(742,2434.75) R8.1 ; v1(740,2352.8) 740,2292.56 755.75,2276.8 v1(839,2276.8) ; v1(838,2022.8) 838,2061.46 R6.1
  Top Layer w40: T1.3@149,2610.34 149.23,2610.57 526.25,2610.57 R4.1@527,2609.82
  Bottom Layer w10: v1(740,2352.8) 741,2353.8 741,2433.75 v1(742,2434.75) ; v1(838,2022.8) 839,2023.8 v1(839,2276.8)
NetR8_2: R8.2 R11.1 U2.3 | length 165.9
  Top Layer w10: R11.1 R8.2 841.95,2433.8 U2.3
NetR13_2: R13.2 T2.1 | length 215.5
  Top Layer w10: R13.2 1672.54,2619.34 T2.1@1883,2619.34
NetR16_1: R16.1 R18.1 R20.1 R21.1 T2.3 | length 1131.9
  Top Layer w10: R16.1 1301,2069.8 1333,2101.8 1333,2263.95 v1(1314.15,2282.8) ; R18.1@1377,2347.04 v1(1377,2285.8) 1377,2152.8 1431,2098.8 1498,2098.8 1526.26,2127.06 R21.1@1526.26,2186.27
  Top Layer w40: R21.1 1526.26,2186.27 T2.3@1883,2186.27
  Bottom Layer w10: v1(1314.15,2282.8) 1374,2282.8 v1(1377,2285.8)
NetR18_2: R18.2 R23.1 U2.5 | length 280.2
  Top Layer w10: U2.5 1304,2383.8 1315,2372.8 R18.2 1314.15,2346.2 R23.1
NetR25_2: R25.2 T3.1 | length 967.5
  Top Layer w15: R25.2 1377,1035.8 1403,1035.8 1430,1008.8 1430,792.8 1449,773.8 v1(1506,773.8) ; v1(1559,773.8) 1786,773.8 1824,811.8 1824,923.8 1847,946.8 T3.1@1923,946.8 ; T3.1@1904,927.8 T3.1@1923,946.8 ; T3.1@1928,951.8 T3.1@1923,946.8 ; T3.1@1931,946.8 T3.1@1923,946.8
  Bottom Layer w15: v1(1506,773.8) v1(1559,773.8) ; T3.1@1926.2,950.8 T3.1@1932,950.8
NetR26_2: R26.2 T4.1 | length 1336.2
  Top Layer w10: T4.1@132,515.8 21,626.8 21,1108.8 60,1147.8 184,1147.8 244,1087.8 v1(523,1087.8) ; v1(581,1086.8) 674,1086.8 R26.2
  Bottom Layer w10: v1(523,1087.8) 580,1087.8 v1(581,1086.8)
NetR30_1: R30.1 R35.1 R37.1 R38.1 T3.3 | length 1226.8
  Top Layer w10: R35.1 1373,582.02 1404,613.02 1404,632.8 1438,666.8 1515,666.8 1525,656.8 1525,613.8 R37.1@1534,604.8 ; R30.1 1376,764.8 1416,724.8 v1(1506,724.8) ; v1(1566,725.8) 1566,617.8 R37.1@1569,614.8
  Top Layer w60: R37.1 1534,604.8 1569,604.8 R38.1 1822.9,604.8 1911.37,516.33 1927.61,516.33 T3.3
  Bottom Layer w10: v1(1506,724.8) 1565,724.8 v1(1566,725.8)
NetR33_1: R33.1 R40.1 R42.1 R43.1 T4.3 | length 1426.6
  Top Layer w10: R42.1 528,1027.8 541.54,1041.34 576.46,1041.34 609,1008.8 609,640.12 631.31,617.8 R40.1 ; R40.1@667,621.74 697,651.74 697,975.8 679,993.8 679,1027.8 R33.1@677,1029.8
  Top Layer w60: T4.3 152.24,947.87 181.17,976.8 R43.1 R42.1 ; T4.3@137.8,938.87 T4.3@142.6,934.07
NetR35_2: R35.2 R45.1 U6.5 | length 193
  Top Layer w10: U6.5 R45.1 1312,582.8 R35.2
NetR40_2: R40.2 R47.1 U6.3 | length 204.8
  Top Layer w10: R40.2 766,617.8 780,631.8 R47.1 845.5,632.3 925.06,632.3 U6.3
NetR49_1: R49.1 U3.1 U3.2 | length 266.1
  Top Layer w12: R49.1 344.4,1620.4 344.4,1697.2 U3.1 345,1760.8 354,1769.8 390.09,1769.8 397.12,1762.77 397.12,1699.92 U3.2
NetR51_1: R51.1 R52.2 U4.3 | length 215.7
  Top Layer w10: U4.3 476.53,897.33 546.47,897.33 R52.2 550.94,896.8 584,863.74 584,820.87 550.94,787.8 R51.1
NetR53_2: R53.2 U7.2 | length 2102.9
  Top Layer w10: R53.2 1420,2832 1532,2944 1884,2944 2026,2802 2026,1918 1963,1855 1963,1805 1913,1755 1913,1586.12 1925.88,1573.25 U7.2@1925.88,1572 ; U7.2@1906.37,1582.61 U7.2@1913,1575.98
Temp: C19.1 J2.4 R53.1 | length 156
  Top Layer w15: C19.1 R53.1 J2.4
VBUS: J2.2 M1.1 M1.2 M1.3 M1.4 M1.5 T1.2 T2.2 T3.2 T4.2 | length 8479.7
  Top Layer w10: J2.2 1360.97,2941 v1(1472,2941)
  Bottom Layer w10: 1221,1410 1798.2,1410 1863,1474.8 1863,1950 2023,2110 2023,2855 1937,2941 v1(1472,2941)
  Bottom Layer w80: T4.2 143.65,738.99 236.79,738.99 303,805.2 303,1253.8 352.57,1303.38 M1.4 ; T1.2@149,2393.8 253.57,2393.8 304,2343.38 304,1562.8 366.57,1500.23 M1.3 ; M1.2 1702.43,1303.38 1743,1262.8 1743,831.67 1835.67,738.99 1921.48,738.99 T3.2 ; M1.1 1680.43,1500.23 1769,1588.8 1769,2367.8 1795.01,2393.82 T2.2
VIN: D1.1 J1.1 | length 157.6
  Top Layer w20: D1.1 131,1362.8 J1.1
pads on no net: U3.5 U3.6 U3.7

## Polygon pours and split planes (outlines as drawn)
GND on Bottom Layer "Bottom Layer-GND" (solid, remove dead copper, pour order 2): 557,1850.8 557,2599.8 596,2638.8 1462,2638.8 1522,2578.8 1522,1662.8 1485,1625.8 601,1625.8 555,1671.8 555,1855.8
GND on Bottom Layer "Bottom Layer-GND 1" (solid, pour order 0): 403,492.8 403,1147.8 471,1215.8 1507,1215.8 1545,1177.8 1545,516.8 1498,469.8 425,469.8 402,492.8

## Other copper
Top Layer:
  rectangle net GND: 828.8,1629.32 1223.2,1944.28
  rectangle net VBUS: 827,1239.8 1227,1559.8
  region net GND: 1118,1942.8 1305,1942.8 1350,1987.8 1759,1987.8 1761,1985.8 1761,1840.8 1733,1812.8 1138,1812.8 1117,1833.8 1117,1944.28
  region net GND: 1722.2,1785.8 1762,1746 1762,824.8 1462,824.8 1462,1598.8 1434,1626.8 1194,1626.8 1194,1785.8
  region net GND: 841,1742.8 651,1742.8 457,1548.8 457,1396.8 293,1232.8 293,1174.8 597,1174.8 597,1506.8 719.52,1629.32 829.8,1629.32 840,1639.52 840,1742.8 841,1743.8
  region net GND: 890,1946.8 769,1946.8 592,2123.8 592,2390.8 290.57,2390.8 290.57,2057.96 308,2040.54 464.27,2040.54 676,1828.8 890,1828.8
Bottom Layer:
  rectangle net VBUS: 827,1244.32 1224.2,1559.8
  rectangle net GND: 803,1624.8 1243,1964.8
  region net VBUS: 1196.19,1244.32 1516.48,1244.32 1582,1178.8 1582,750.24 1639.44,692.8 1885,692.8 1885,750.8 1849,786.8 1849,1310.8 1767,1392.8 1146.5,1392.8
  region net VBUS: 1211,1559.28 1509.48,1559.28 1564,1613.8 1564,2373.8 1624,2433.8 1844,2433.8 1844,1503.8 1767,1426.8 1207.25,1426.8 1207.25,1555.54 1211,1559.28 1215,1555.28 1215,1552.8
  region net VBUS: 843.92,1390.8 290,1390.8 222,1322.8 222,690.8 349,690.8 385,726.8 385,1178.8 451,1244.8 843.92,1244.8 843.92,1386.72 850,1392.8
  region net VBUS: 829.8,1559.28 564.52,1559.28 518,1605.8 518,2333.8 416,2435.8 214,2435.8 211,2432.8 220,2423.8 220,1502.8 290,1432.8 843.92,1432.8 843.92,1560.8

## Silkscreen, mask and mechanical layers (free items; w line width, h text height)
Top Overlay:
  lines w10: -629.92,-23.2 -629.92,2945.8 ; 136,514.8 1926.08,514.8 1927.61,516.33 ; 137.8,2610.34 1938.54,2610.34 ; 1023.62,272.8 1023.62,1474.43 ; 1023.62,1278.8 1023.62,1574.8 2047.24,1574.8 ; 2677.17,-23.2 2677.17,2945.8
Mechanical 1:
  the board outline again, w7

## Dimensions
0,0 to 2047.24,0 on Mechanical 2
2047.24,0 to 2047.24,3149.61 on Mechanical 2